# Altium PCB Copy of Brake Module PCB R5.PcbDoc (part 1 of 2) (continued)
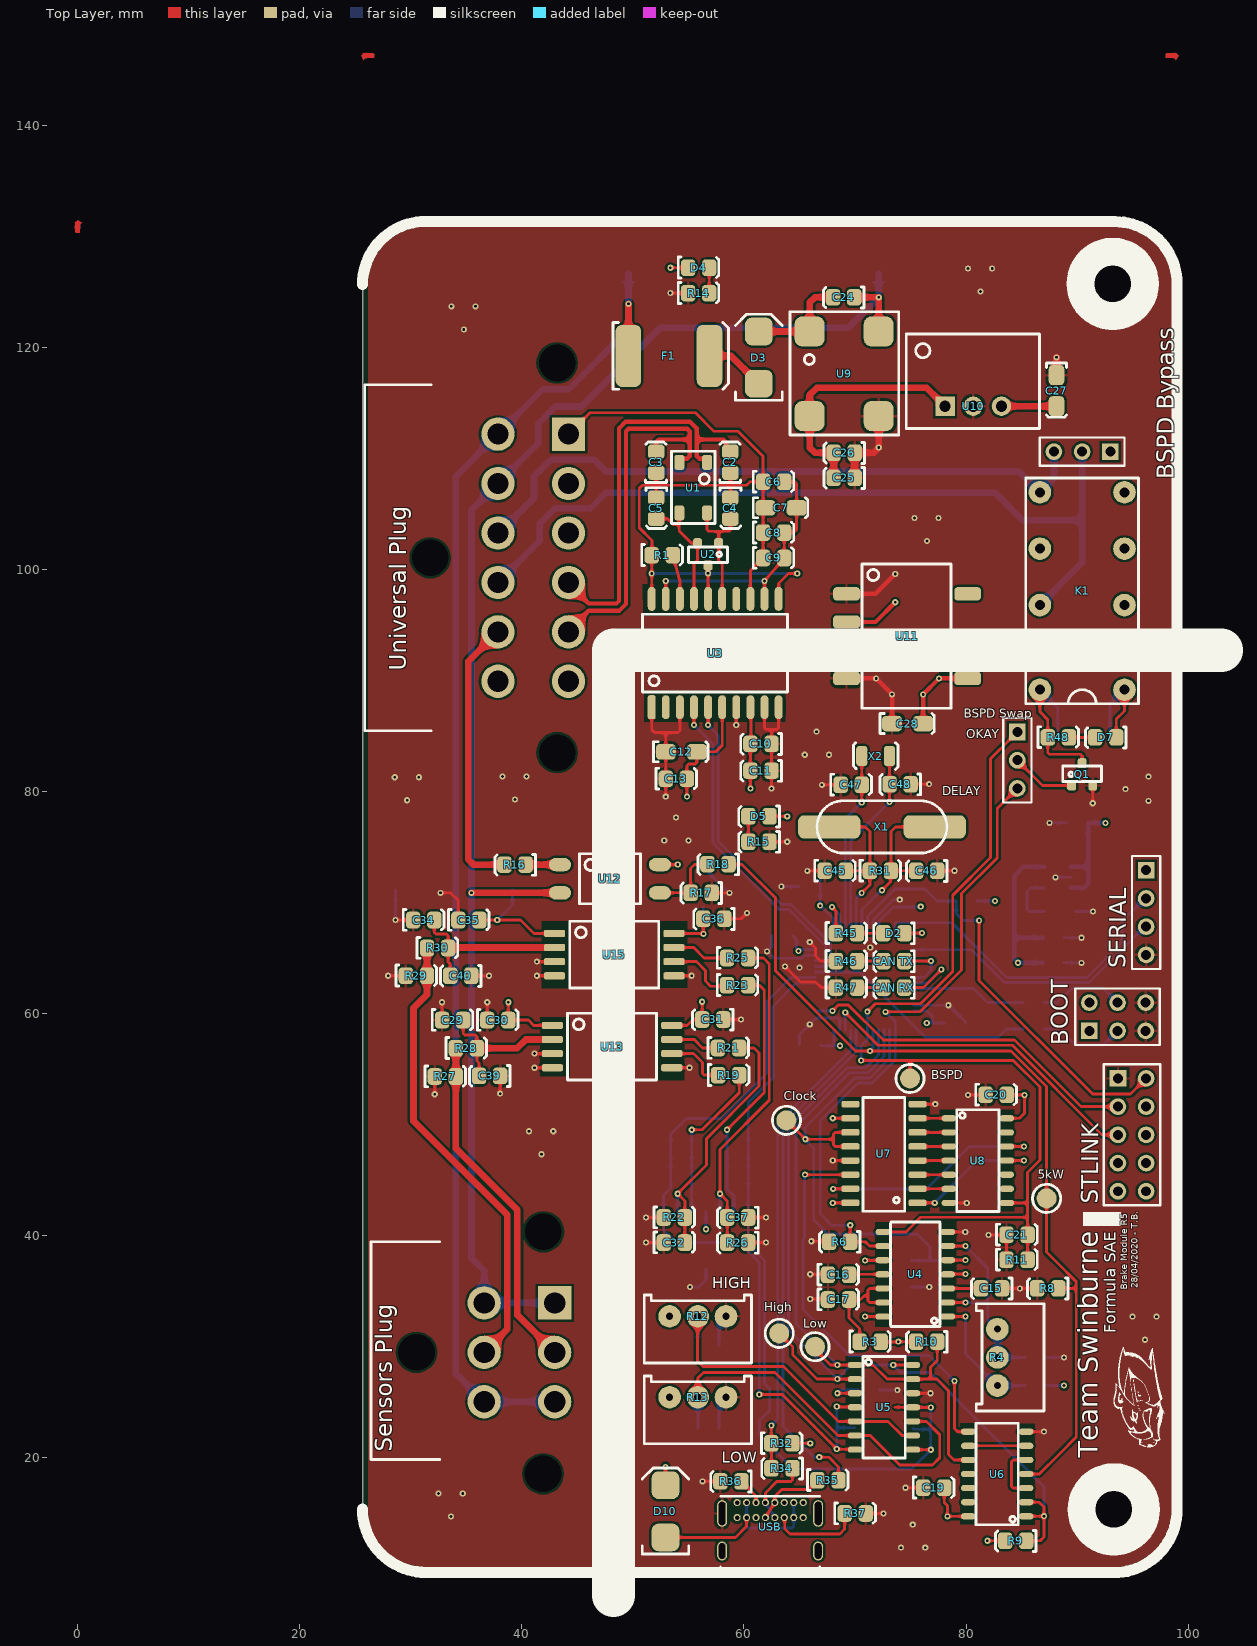
[diagram p0: Top Layer view]
## Footprints (in the part's own frame and the unit in brackets; to place one, negate y for a bottom-side part, rotate by r counter-clockwise, add the part's x,y. Pads: shape width x height; smd on the part's side, far side on the other; paste and mask are expansions set on the pad)
"14 SOIC" [mil]
  oval 22x52 smd: 1(-141.46,-116.85) 2(-91.46,-116.85) 3(-41.46,-116.85) 4(8.54,-116.85) 5(58.54,-116.85) 6(108.54,-116.85) 7(158.54,-116.85) 8(158.54,112.87) 9(108.54,112.87) 10(58.54,112.87) 11(8.54,112.87) 12(-41.46,112.87) 13(-91.46,112.87) 14(-141.46,112.87)
  silkscreen extent -176,-89 194,86, body extent -163,-122 181,122, height 69
0805#1 [mm]
  rrect50% 1.3x1.5 smd: 1(-0.962,-0.026) 2(0.938,-0.026)
  silkscreen extent -1.85,-0.95 1.8,0.93, body extent -1,-0.65 1,0.66, height 0.73
0805#2 [mm]
  rrect50% 1.3x1.5 smd: 1(-0.962,-0.026) 1(0.938,-0.026)
  silkscreen extent -1.85,-0.95 1.8,0.93, body extent -1,-0.65 1,0.66, height 0.73
"0805 LED" [mm]
  rrect50% 1.3x1.5 smd: A(-0.962,-0.026) K(0.938,-0.026)
  silkscreen extent -1.85,-0.95 1.8,0.93, body extent -1.1,-0.62 0.9,0.62, height 1
1206 [mm]
  rrect50% 1.8x1.4 smd: 1(-2.6,0) 2(0.2,0)
  silkscreen extent -3.7,-0.9 1.2,0.9, body extent -2.9,-0.9 0.5,0.9, height 1.85
2920 [mm]
  rrect50% 2.3x5.6 smd: 1(0,0) 2(7.3,0)
  silkscreen extent -1.4,-3 9,3, body extent -0.34,-2.81 7.64,2.81, height 1.14
"Abracon HC-49/US" [mm]
  rrect50% 5.6x2.1 smd: 1(-4.75,0) 2(4.75,0)
  silkscreen extent -5.85,-2.35 5.85,2.35, body extent -6.35,-2.35 6.35,2.35, height 4.06
"AD SOIC-W 20" [mil]
  rrect50% 28x85 smd: 1(-225,-192.02)
  oval 28x85 smd: 2(-175,-192.02) 3(-125,-192.02) 4(-75,-192.02) 5(-25,-192.02) 6(25,-192.02) 7(75,-192.02) 8(125,-192.02) 9(175,-192.02) 10(225,-192.02) 11(225,192.02) 12(175,191.98) 13(125,191.98) 14(75,191.98) 15(25,191.98) 16(-25,191.98) 17(-75,191.98) 18(-125,191.98) 19(-175,191.98) 20(-225,191.98)
  silkscreen extent -257,-138 256,138, body extent -260,-210 260,210, height 105
"B 3296" [mil]
  round 80 hole 25.2: 1(-103.39,-22) 2(-3.39,-22) 3(96.61,-22)
  silkscreen extent -193,-97 187,143, body extent -191,-97 184,143, height 455
"BROAD 8-SOIC" [mm]
  rrect50% 0.64x1.905 smd: 1(-1.905,-5.372) 2(-0.635,-5.372) 3(0.635,-5.372) 4(1.905,-5.372) 5(1.905,5.372) 6(0.635,5.372) 7(-0.635,5.372) 8(-1.905,5.372)
  silkscreen extent -3,-4 3,4, body extent -2.92,-5.75 2.92,5.75, height 3.68
DT13-6P [mm]
  round 3 hole 3.3 unplated: 0(-17.805,15.43) 0(-6.95,4) 0(4,15.4)
  rect 3x3 hole 1.9: 1(-11.4,16.45)
  round 3 hole 1.9: 2(-6.95,16.45) 3(-2.5,16.45) 4(-2.5,10.1) 5(-6.95,10.1) 6(-11.4,10.1)
  silkscreen extent -16.9,-0.1 2.7,6.1, body extent -29.9,-19.9 12.9,19.6, height 35.63
DT13-12P [mm]
  round 3 hole 3.3 unplated: 0(-6.405,5.33) 0(11.135,-6.1) 0(28.675,5.33)
  rect 3x3 hole 1.9: 1(0,6.35)
  round 3 hole 1.9: 2(4.45,6.35) 3(8.9,6.35) 4(13.35,6.35) 5(17.8,6.35) 6(22.25,6.35) 7(22.25,0) 8(17.8,0) 9(13.35,0) 10(8.9,0) 11(4.45,0) 12(0,0)
  silkscreen extent -4.45,-12 26.7,-6, body extent -18.6,-34.7 40.6,9.5, height 37.63
"EPSON 2-SMD" [mm]
  rrect50% 1x1.8 smd: 1(-1.25,0) 2(1.25,0)
  silkscreen extent -2,-1.2 2,1.2, body extent -1.5,-1 1.5,1, height 1
"ON 4-SMD" [mm] "SOP, 4-Leads, Body 3.85x4.4mm, Pitch 2.54mm, IPC Medium Density"
  oval 2x1.2 smd: 1(-4.75,1.27) 2(-4.75,-1.27) 3(4.25,-1.27) 4(4.25,1.27)
  silkscreen extent -3,-2.25 2.5,2.25, body extent -5.33,-2.3 4.83,2.3, height 4.6
"ON 16-SOIC" [mm]
  rrect50% 1.6x0.58 smd: 1(-2.89,0) 2(-2.89,-1.27) 3(-2.89,-2.54) 4(-2.89,-3.81) 5(-2.89,-5.08) 6(-2.89,-6.35) 7(-2.89,-7.62) 8(-2.89,-8.89) 9(3.14,-8.89) 10(3.14,-7.62) 11(3.14,-6.35) 12(3.14,-5.08) 13(3.14,-3.81) 14(3.14,-2.54) 15(3.14,-1.27) 16(3.14,0)
  silkscreen extent -1.75,-9.5 2,0.75, body extent -3.09,-9.4 3.14,0.6, height 1.75
"ON SOT-23" [mm] "NUP2105L"
  rrect50% 0.8x0.9 smd: 1(-0.95,-1) 2(0.95,-1) 3(0,1)
  silkscreen extent -1.75,-0.65 1.75,0.75, body extent -1.5,-1.27 1.5,1.28, height 1
"ON SOT-23 MOSFET" [mm] "NUP2105L"
  rrect50% 0.8x0.9 smd: D(0,1) G(-0.95,-1) S(0.95,-1)
  silkscreen extent -1.75,-0.65 1.75,0.75, body extent -1.5,-1.27 1.5,1.28, height 1
"RECOM 3-SIP" [mm] "12 to 42 Vdc In, 9 Vdc Out"
  rect 1.75x1.75 hole 1: 1(0,0)
  round 1.75 hole 1: 2(2.54,0) 3(5.08,0)
  silkscreen extent -3.5,-2 8.5,6.5, body extent -3.26,-2.02 8.34,6.48, height 11.41
"RECOM 8-SMD (5 Pin)" [mm]
  rrect50% 1.2x2.4 smd: 1(-3.81,-5.4) 2(-1.27,-5.4) 4(3.81,-5.4) 5(3.81,5.5) 8(-3.81,5.5)
  silkscreen extent -6.5,-4 6.5,4, body extent -6.37,-5.55 6.38,5.55, height 9.2
"RICHTEK SOT-23-5" [mil]
  rrect50% 19x58 smd: 1(-39.37,-39.37) 2(-1.97,-39.37) 3(35.43,-39.37) 4(35.43,53.63) 5(-39.37,53.63)
  silkscreen extent -69,-31 64,46, body extent -62,-51 58,67, height 57
"SMB Diode" [mm]
  rrect50% 2.5x2.5 smd: A(-0.25,0) K(4.45,0)
  silkscreen extent -1.75,-2.1 6,2.1, body extent -0.69,-1.97 4.9,1.97, height 2.5
"SMD Test Point" [mm]
  round 1.8 smd: 1(0,0)
  silkscreen extent -1.27,-1.27 1.27,1.27
"STM 48-LQFP" [mm]
  rrect50% 0.3x1.2 smd mask+0.05: 1(-2.75,-4.45) 2(-2.25,-4.45) 3(-1.75,-4.45) 4(-1.25,-4.45) 5(-0.75,-4.45) 6(-0.25,-4.45) 7(0.25,-4.45) 8(0.75,-4.45) 9(1.25,-4.45) 10(1.75,-4.45) 11(2.25,-4.45) 12(2.75,-4.45) 25(2.75,4.45) 26(2.25,4.45) 27(1.75,4.45) 28(1.25,4.45) 29(0.75,4.45) 30(0.25,4.45) 31(-0.25,4.45) 32(-0.75,4.45) 33(-1.25,4.45) 34(-1.75,4.45) 35(-2.25,4.45) 36(-2.75,4.45)
  rrect50% 1.2x0.3 smd mask+0.05: 13(4.45,-2.75) 14(4.45,-2.25) 15(4.45,-1.75) 16(4.45,-1.25) 17(4.45,-0.75) 18(4.45,-0.25) 19(4.45,0.25) 20(4.45,0.75) 21(4.45,1.25) 22(4.45,1.75) 23(4.45,2.25) 24(4.45,2.75) 37(-4.45,2.75) 38(-4.45,2.25) 39(-4.45,1.75) 40(-4.45,1.25) 41(-4.45,0.75) 42(-4.45,0.25) 43(-4.45,-0.25) 44(-4.45,-0.75) 45(-4.45,-1.25) 46(-4.45,-1.75) 47(-4.45,-2.25) 48(-4.45,-2.75)
  silkscreen extent -3.5,-3.5 3.5,3.5, body extent -4.6,-4.6 4.6,4.6, height 1.6
"TDK 4-PC Pad" [mm]
  rrect50% 1.35x0.9 smd: 1(0,0) 2(0,-2.5) 3(4.55,-2.5) 4(4.55,0)
  silkscreen extent -1,-3.2 5.5,0.7, body extent -0.02,-2.82 4.48,0.38, height 2.8
"TH 2.54mm Header 1x3" [mm]
  rect 1.5x1.5 hole 0.9: 1(0,0)
  round 1.5 hole 0.9: 2(2.54,0) 3(5.08,0)
  silkscreen extent -1.27,-1.27 6.35,1.27
"TH 2.54mm Header 1x4" [mm]
  rect 1.5x1.5 hole 0.9: 1(0,0)
  round 1.5 hole 0.9: 2(2.54,0) 3(5.08,0) 4(7.62,0)
  silkscreen extent -1.27,-1.27 8.89,1.27
"TH 2.54mm Header 2x3" [mm]
  rect 1.5x1.5 hole 0.9: 1(0,0)
  round 1.5 hole 0.9: 2(0,2.54) 3(2.54,0) 4(2.54,2.54) 5(5.08,0) 6(5.08,2.54)
  silkscreen extent -1.27,-1.27 6.35,3.81
"TH 2.54mm Header 2x5" [mm]
  rect 1.5x1.5 hole 0.9: 1(0,0)
  round 1.5 hole 0.9: 2(0,2.54) 3(2.54,0) 4(2.54,2.54) 5(5.08,0) 6(5.08,2.54) 7(7.62,0) 8(7.62,2.54) 9(10.16,0) 10(10.16,2.54)
  silkscreen extent -1.27,-1.27 11.43,3.81
"TI 2-DIL" [mil]
  round 80 hole 35.43: 1(-350,-150) 4(-50,-150) 6(150,-150) 8(350,-150) 9(350,150) 11(150,150) 13(-50,150) 16(-350,150)
  silkscreen extent -400,-200 400,200, body extent -398,-197 398,197, height 450
"TI 14-SOIC" [mil]
  oval 22x52 smd: 1(-750,102.36) 2(-700,102.36) 3(-650,102.36) 4(-600,102.36) 5(-550,102.36) 6(-500,102.36) 7(-450,102.36) 8(-450,307.09) 9(-500,307.09) 10(-550,307.09) 11(-600,307.09) 12(-650,307.09) 13(-700,307.09) 14(-750,307.09)
  silkscreen extent -780,130 -420,280, body extent -770,86 -430,323, height 69
USB4085-GF-A [mm]
  round 0.65 hole 0.4: A1(-2.848,4.025) A4(-1.998,4.025) A5(-1.148,4.025) A6(-0.298,4.025) A7(0.552,4.025) A8(1.402,4.025) A9(2.252,4.025) A12(3.102,4.025) B1(3.102,2.675) B4(2.252,2.675) B5(1.402,2.675) B6(0.552,2.675) B7(-0.298,2.675) B8(-1.148,2.675) B9(-1.998,2.675) B12(-2.848,2.675)
  oval 0.9x2.4 hole 0.6 slot 2.1 at 90 deg: P1(-4.198,3.045) P2(4.452,3.045)
  oval 0.9x1.7 hole 0.6 slot 1.4 at 90 deg: P3(4.452,-0.335) P4(-4.198,-0.335)
  silkscreen extent -4.35,-2.07 4.6,4.58, body extent -4.39,-4.56 4.64,4.61, height 3.46
"Wurth 4-PC Pad" [mm]
  rrect50% 2.7x2.7 smd: 1(7.62,6.22) 2(0,6.22) 3(0,0) 4(7.62,0)
  silkscreen extent -1.7,-1.8 9.4,8, body extent -1.19,-1.24 8.81,7.46, height 6.2

## Part data
0V "0V (ISO)" 5kW 5V "5V (ISO)" BSPD Clock GLV+ GLV- High Low S1 S2: library part "SMD Test Point", Angle=0, Contact=NA, Flange=No, Part Number="SMD Test Point", Pitch=0mm, Positions=1, Row Spacing=0
BOOT: library part "TH 2.54mm Header 2x3", Angle=0, Contact=NA, Flange=No, Part Number="TH 2.54mm Header 2x3", Pitch=2.54mm, Positions=6, Row Spacing=2.54mm
"BSPD Bypass" "BSPD Swap": library part "TH 2.54mm Header 1x3", Angle=0, Contact=NA, Flange=No, Part Number="TH 2.54mm Header 1x3", Pitch=2.54mm, Positions=3, Row Spacing=2.54mm
C2 C3 C4 C5 C16 C32 C33 C37 C38: library part GCM2165C1H101JA16D, Digikey Part Number=490-8031-1-ND, Manufacturer=muRata, Rated Voltage=50V, Tolerance=±5%, Material="C0G, NP0", Part Number=GCM2165C1H101JA16D
C6 C9 C11 C13 C18 C20 C21 C22 C23 C29 C30 C31 C34 C35 C36 C39 C40 C42 C43 C44 C51: library part GCM21BR71H104KA37L, Digikey Part Number=490-6064-1-ND, Manufacturer=muRata, Rated Voltage=50V, Tolerance=±10%, Material=X7R, Part Number=GCM21BR71H104KA37L
C7 C12: library part GCM3195C2A103JA16D, Digikey Part Number=490-4978-2-ND, Manufacturer=muRata, Rated Voltage=100V, Tolerance=5%, Material=Ceramic, Part Number=GCM3195C2A103JA16D
C8 C10 C14 C17 C24 C25 C26: library part GRM21BR6YA106KE43L, Digikey Part Number=490-10514-6-ND, Manufacturer=muRata, Rated Voltage=50V, Tolerance=10%, Material=X5R, Part Number=GRM21BR6YA106KE43L
C15: library part GRM21A5C2E100JW01D, Digikey Part Number=490-5530-1-ND, Manufacturer=muRata, Rated Voltage=250V, Tolerance=±5%, Material="C0G, NP0", Part Number=GRM21A5C2E100JW01D
C19: library part GCM21BR71E104KA37L, Digikey Part Number="DO NOT USE FOR NEW DESIGNS", Manufacturer=muRata, Rated Voltage=25V, Tolerance=10%, Material=X7R, Part Number=GCM21BR71E104KA37L
C27 C28 C50: library part CC1206MKX5R7BB226, Digikey Part Number=311-1997-2-ND, Manufacturer=YAGEO, Rated Voltage=16V, Tolerance=20%, Material=Ceramic, Part Number=CC1206MKX5R7BB226
C41 C49 C52: library part AC0805KKX7R8BB105, Manufacturer=YAGEO, Rated Voltage=25V, Tolerance=10%, Material=X7R, Part Number=AC0805KKX7R8BB105
C45 C46 C47 C48: library part GRM21A5C2E220JW01D, Digikey Part Number=490-5534-1-ND, Manufacturer=muRata, Rated Voltage=250V, Tolerance=±5%, Material="C0G, NP0", Part Number=GRM21A5C2E220JW01D
"CAN RX" "CAN TX": library part SML-MN2BCTT86C, "LED BLUE CLEAR 2012 SMD", Digikey Part Number=846-1207-1-ND, Manufacturer="ROHM Semiconductor", Colour=Blue, Digikey Link=https://www.digikey.com/product-detail/en/rohm-semiconductor/SMLMN2BCTT86C/846-1207-1-ND/6057239, Part Number=SML-MN2BCTT86C
D1: library part SML-211YTT86, "Yellow LED Indication - Discrete 1.75V 0805 (2012 Metric)", Digikey Part Number=511-1293-1-ND, Manufacturer="ROHM Semiconductor", Colour=Yellow, Digikey Link=https://www.digikey.com/product-detail/en/rohm-semiconductor/SML-211YTT86/511-1293-1-ND/637106, Part Number=SML-211YTT86
D2 D4 D5: library part SML-210LTT86, "Red LED Indication - Discrete 1.75V 0805 (2012 Metric)", Digikey Part Number=511-1286-1-ND, Manufacturer="ROHM Semiconductor", Colour=Red, Digikey Link=https://www.digikey.com/product-detail/en/rohm-semiconductor/SML-210LTT86/511-1286-1-ND/637099, Part Number=SML-210LTT86
D3 D6 D10: "1.2V_F 600V 5A SMB", Digikey Part Number=1655-1530-2-ND, Manufacturer="SMC Diode Solutions", Digikey Link=https://www.digikey.com/product-detail/en/smc-diode-solutions/SD560BTR/1655-1530-2-ND/6022620, Part Number=SD560BTR
D7: library part SML-210FTT86, "Green LED Indication - Discrete 1.75V 0805 (2012 Metric)", Digikey Part Number=511-1285-1-ND, Manufacturer="ROHM Semiconductor", Colour=Green, Digikey Link=https://www.digikey.com/product-detail/en/rohm-semiconductor/SML-210FTT86/511-1285-1-ND/637098, Part Number=SML-210FTT86
F1: "PTC RESET FUSE 60V 1A 292", Digikey Part Number=507-2070-1-ND, Manufacturer="Littelfuse Inc.", Digikey Link=https://www.digikey.com/product-detail/en/bel-fuse-inc/0ZCF0100AF2A/507-2070-1-ND/6210547, Part Number=0ZCF0100AF2A
K1: "5V DPDT Relay 3A 220VDC", Digikey Part Number=PB383-ND, Manufacturer=Axicom, Digikey Link=https://www.digikey.com/products/en?mpart=V23105A5001A201&v=41, Part Number=V23105A5475A201
Q1: "60V 380mA, NFET MOSTFET (Small Signal)", Digikey Part Number=2N7002KCT-ND, Manufacturer="ON Semiconductor", Digikey Link=https://www.digikey.com/product-detail/en/on-semiconductor/2N7002K/2N7002KCT-ND/2060375, LatestRevisionDate=29-May-2009, LatestRevisionNote="IPC-7351 Footprint Added.", PackageDescription="4-Pin SOT-343 Package 1.3 mm Pitch, 2.1 mm Lead Span", PackageReference=SOT-343, PackageVersion=Sep-2000, Part Number=2N7002K, Published=24-Mar-1999, Publisher="Altium Limited", Qty=30
R1: library part RC0805FR070RL, Manufacturer=YAGEO, Rated Voltage=0.125W, Tolerance=0.01, Material=FR-07, Part Number=RC0805FR070RL
R2 R11 R38 R39: library part RC0805FR0710KL, Digikey Part Number=311-10.0KCRCT-ND, Manufacturer=YAGEO, Rated Voltage=0.125W, Tolerance=0.01, Material=FR-07, Part Number=RC0805FR0710KL
R3: library part RC0805FR071ML, Digikey Part Number=311-1.00MCRCT-ND, Manufacturer=YAGEO, Rated Voltage=0.125W, Tolerance=0.01, Material=FR-07, Part Number=RC0805FR071ML
R4 R12 R13: library part 3296W-1-103LF, Digikey Part Number=3296W-103LF-ND, Manufacturer="Bournes Inc", Rated Voltage=0.5W, Tolerance=0.1, Part Number=3296W-1-103LF
R6 R8: library part RC0805FR0720KL, Digikey Part Number=311-20.0KCRCT-ND, Manufacturer=YAGEO, Rated Voltage=0.125W, Tolerance=0.01, Material=FR-07, Part Number=RC0805FR0720KL
R7: library part RC0805FR071K5L, Digikey Part Number=311-1.50KCRCT-ND, Manufacturer=YAGEO, Rated Voltage=0.125W, Tolerance=0.01, Material=FR-07, Part Number=RC0805FR071K5L
R9 R10: library part RC0805FR073K3L, Digikey Part Number=311-3.30KCRCT-ND, Manufacturer=YAGEO, Rated Voltage=0.125W, Tolerance=0.01, Material=FR-07, Part Number=RC0805FR073K3L
R14 R15 R16 R48: library part RC0805FR07680RL, Manufacturer=YAGEO, Rated Voltage=0.125W, Tolerance=0.01, Material=FR-07, Part Number=RC0805FR07680RL
R17 R19 R20 R21 R22 R23 R24 R25 R26 R40: library part RC0805FR0710KL, Manufacturer=YAGEO, Rated Voltage=0.125W, Tolerance=0.01, Material=FR-07, Part Number=RC0805FR0710KL
R18: library part RC0805FR07100RL, Manufacturer=YAGEO, Rated Voltage=0.125W, Tolerance=0.01, Material=FR-07, Part Number=RC0805FR07100RL
R27 R29: library part RC0805FR07200RL, Manufacturer=YAGEO, Rated Voltage=0.125W, Tolerance=0.01, Material=FR-07, Part Number=RC0805FR07200RL
R28 R30: library part RC0805FR071KL, Manufacturer=YAGEO, Rated Voltage=0.125W, Tolerance=0.01, Material=FR-07, Part Number=RC0805FR071KL
R31: library part RC0805FR0710ML, Manufacturer=YAGEO, Rated Voltage=0.125W, Tolerance=0.01, Material=FR-07, Part Number=RC0805FR0710ML
R32: library part RC0805FR071K5L, Manufacturer=YAGEO, Rated Voltage=0.125W, Tolerance=0.01, Material=FR-07, Part Number=RC0805FR071K5L
R34 R35: library part RC0805FR0720RL, Manufacturer=YAGEO, Rated Voltage=0.125W, Tolerance=0.01, Material=FR-07, Part Number=RC0805FR0720RL
R36 R37: library part RC0805FR075K1L, Manufacturer=YAGEO, Rated Voltage=0.125W, Tolerance=0.01, Material=FR-07, Part Number=RC0805FR075K1L
R45 R46 R47: library part RC0805FR07510RL, Manufacturer=YAGEO, Rated Voltage=0.125W, Tolerance=0.01, Material=FR-07, Part Number=RC0805FR07510RL
"Sensors Plug": library part DT13-6P[[/\]]DT13-6P, Digikey Part Number=1734-1025-ND, Angle=90, Contact="Copper Alloy", Digikey Link=https://www.digikey.com/product-detail/en/te-connectivity-deutsch-connectors/DT13-6P/1734-1025-ND/6566589, Flange=Yes, Part Number=DT13-6P, Pitch=4.44mm, Positions=6, Row Spacing=6.35mm
SERIAL: library part "TH 2.54mm Header 1x4", Angle=0, Contact=NA, Flange=No, Part Number="TH 2.54mm Header 1x4", Pitch=2.54mm, Positions=4, Row Spacing=2.54mm
STLINK: library part "TH 2.54mm Header 2x5", Angle=0, Contact=NA, Flange=No, Part Number="TH 2.54mm Header 2x5", Pitch=2.54mm, Positions=10, Row Spacing=2.54mm
U1: "100µH @ 100kHz 2 Line Common Mode Choke Surface Mount 5.8 kOhms @ 10MHz 150mA DCR 2Ohm", Digikey Part Number=495-4598-1-ND, Inductance="100µH @ 100kHz", Manufacturer="EPCOS (TDK)", Rated Current=150mA, Digikey Link=https://www.digikey.com/product-detail/en/epcos-tdk/B82787C0104H002/495-4598-2-ND/3680998, Impedence="5.8 kOhms @ 10MHz", Material=Wirewound, Part Number=B82787C0104H002
U2: "Dual Line CAN Bus Protector", Digikey Part Number=NUP2105LT1GOSCT-ND, Manufacturer="ON Semiconductor", Digikey Link=https://www.digikey.com/product-detail/en/on-semiconductor/NUP2105LT1G/NUP2105LT1GOSCT-ND/1485001, Part Number=NUP2105L
U3: "Isolated CAN Transceiver", Digikey Part Number=ADM3053BRWZ-ND, Manufacturer="Analogue Devices", Digikey Link=https://www.digikey.com/product-detail/en/analog-devices-inc/ADM3053BRWZ/ADM3053BRWZ-ND/2709332, Part Number=ADM3053
U4: "IC OSC TIMER DUAL 100KHZ 14SOIC", Digikey Part Number=296-26240-1-ND, Manufacturer="Texas Instruments", Digikey Link=https://www.digikey.com/product-detail/en/texas-instruments/NE556DR/296-26240-1-ND/2254905, Part Number=NE556DR
U5: "Comparator General Purpose Open Collector 14-SOIC", Digikey Part Number=296-6611-2-ND, Manufacturer="Texas Instruments", Digikey Link=https://www.digikey.com/product-detail/en/texas-instruments/LMV339MTX-NOPB/296-35446-1-ND/3739150, Part Number=LMV339IDR
U6: "NAND Gate IC 4 Channel 14-SOIC", Digikey Part Number=296-1187-2-ND, Manufacturer="Texas Instruments", Digikey Link=https://www.digikey.com.au/product-detail/en/texas-instruments/SN74HC00DR/296-1187-2-ND/276830, Part Number=SN74HC00DR
U7: "IC SHIFT REGISTR 8BIT 3ST 16SOIC", Digikey Part Number=MC74HC595ADR2GOSCT-ND, Manufacturer="ON Semiconductor", Digikey Link=https://www.digikey.com/product-detail/en/on-semiconductor/MC74HC595ADR2G/MC74HC595ADR2GOSCT-ND/1139727, Part Number=MC74HC595ADR2G
U8: "IC GATE NAND 1CH 8-INP 14SOIC", Digikey Part Number=296-14521-1-ND, Manufacturer="Texas Instruments", Digikey Link=https://www.digikey.com/product-detail/en/texas-instruments/CD74HC30M96/296-14521-1-ND/555580, Part Number=CD74HC30M96
U9: "120µH @ 100kHz 2 Line Common Mode Choke Surface Mount 460 Ohms @ 30MHz 2.5A DCR 25mOhm", Digikey Part Number=732-1489-1-ND, Inductance="120uH @ 100kHz", Manufacturer="Wurth Electronics Inc", Rated Current=2.5A, Digikey Link=https://www.digikey.com/product-detail/en/w-rth-elektronik/744272121/732-1489-1-ND/1639501, Impedence="460 Ohms @ 30MHz", Material=Wirewound, Part Number=744272121
U10: "CONV DC/DC 1A 5V OUT SIP VERT", Digikey Part Number=945-1395-5-ND, Manufacturer=Recom, Digikey Link=https://www.digikey.com.au/product-detail/en/recom-power/R-78C5.0-1.0/945-1395-5-ND/2652148, Isolation=Non-Isolated, Part Number=R-78C5.0-1.0
U11: "Isolated Module DC DC Converter 1 Output 3.3V 606mA 4.5V - 5.5V Input", Digikey Part Number=945-1764-5-ND, Input Voltage=4.5V-5.5V, Manufacturer=Recom, Output Power=2W, Output Voltage=5V, Digikey Link=https://www.digikey.com/product-detail/en/recom-power/R2S-0505-HP/945-1764-5-ND/2302761, Efficiency=0.85, Isolation=Isolated, Part Number=R2S-0505/HP
U12: "35V 50ma Optocoupler (VF=1.2V)", Digikey Part Number=160-1893-2-ND, Manufacturer="Lite-On Inc", Digikey Link=https://www.digikey.com/product-detail/en/lite-on-inc/LTV-817S-TA1/160-1893-2-ND/388451, Part Number=LTV-817S-TA1
U13 U15: "Isolation Amplifier 1 Circuit Differential 8-SO", Digikey Part Number=516-2578-5-ND, Manufacturer="Broadcom Limited", Digikey Link=https://www.digikey.com/product-detail/en/broadcom-limited/ACPL-C870-000E/516-2578-5-ND/3523705, Part Number=ACPL-C870
U14: "IC OPAMP GP 4 CIRCUIT 14SOIC", Digikey Part Number=296-1390-5-ND, Manufacturer="Texas Instruments", Digikey Link=https://www.digikey.com/product-detail/en/texas-instruments/LM324D/296-1390-5-ND/277039, Part Number=LM324D
U16: "ARM® Cortex®-M3 STM32F1 Microcontroller IC 32-Bit 72MHz 64KB (64K x 8) FLASH", Digikey Part Number=497-6063-ND, Manufacturer=STMicroelectronics, Digikey Link=https://www.digikey.com/product-detail/en/stmicroelectronics/STM32F103C8T6/497-6063-ND/1646338, Part Number=STM32F103C8T6
U17: "IC REG LINEAR 3.3V 300MA SOT23-5", Digikey Part Number=1028-1014-1-ND, Manufacturer=Richtek, Digikey Link=https://www.digikey.com/products/en?keywords=1028-1014-1-ND, Part Number=RT9193-33GB
"Universal Plug": library part DT13-12P[[/\]]DT13-12P, Digikey Part Number=1734-1451-ND, Angle=90, Contact=Nickel, Digikey Link=https://www.digikey.com.au/product-detail/en/te-connectivity-deutsch-connectors/DT13-12PA/1734-1451-ND/7220123, Flange=Yes, Part Number=DT13-12P, Pitch=4.44mm, Positions=12, Row Spacing=6.35mm
USB: "USB - C (Type - C) USB 2.0 Receptacle Connector 16 Position Through Hole, Right Angle", Digikey Part Number=2073-USB4085-GF-ACT-ND, Angle=90, Digikey Link=https://www.digikey.ee/product-detail/en/gct/USB4085-GF-A/2073-USB4085-GF-ACT-ND/9859733, Part Number=USB4085-GF-A
X1: library part ABLS-8.000MHZ-B4-T, Digikey Part Number=535-10212-2-ND, Load Capacitance=18pF, Manufacturer="Abracon LLC", Digikey Link=https://www.digikey.com/product-detail/en/abracon-llc/ABLS-8.000MHZ-B4-T/535-10212-2-ND/2184155, ESR=80R, Part Number=ABLS-8.000MHZ-B4-T
X2: library part "FC-135 32.7680KA-A5", Digikey Part Number=SER4103TR-ND, Load Capacitance=12.5pF, Manufacturer=EPSON, Digikey Link=https://www.digikey.com/product-detail/en/epson/FC-135-32.7680KA-A5/SER4103TR-ND/5259895, ESR=70k, Part Number="FC-135 32.7680KA-A5"

## Free pads (board coordinates)
  round 1.524 hole 3.3: 3(93.2,125.7) 3(93.3,15.35)

## Via types
v1: diameter 0.55, hole 0.25, Top Layer to Bottom Layer, tented both sides, 188 vias
v2: diameter 0.55, hole 0.25, Top Layer to Bottom Layer, 3 vias

## Nets (pads, with @x,y where several pads share a name; then routed paths per layer and width w, separated by ;. In a path a pad name is that pad's centre, name@x,y a point inside that pad or via, vN(x,y) a via of type N, cw(c..) or ccw(c..) an arc to the next point about the centre after c; other vN are vias at no path point)
0V: 0V.1 C25.1 C26.1 C27.1 C29.1 C30.1 C34.1 C35.1 C39.1 C40.1 R14.1 R27.1 R29.1 U9.3 U10.2 U11.1 U13.3 U13.4 U15.3 U15.4 | length 39.7
  Top Layer w0.254: v1(27.96,63.4) R29.1@29.56,63.4 ; v1(28.616,68.416) C34.1@30.216,68.416 ; v1(32.16,52.73) R27.1@32.16,54.33 ; v1(32.675,70.866) 33.584,70.866 34.28,70.17 C35.1@34.28,68.416 ; C29.1@32.816,59.41 v1(32.816,61.01) ; C40.1@35.446,63.4 v1(37.046,63.4) ; C30.1@36.88,59.41 v1(36.88,61.01) ; v1(38.046,52.782) C39.1@38.046,54.382 ; v1(41.148,55.118) U13.4@42.748,55.118 ; v1(41.148,56.388) U13.3@42.748,56.388 ; v1(41.346,63.398) U15.4@42.946,63.398 ; v1(41.346,64.668) U15.3@42.946,64.668 ; v1(53.371,124.866) R14.1@54.971,124.866
  Top Layer w0.4: U11.1@69.236,97.79 71.842,97.79 v1(73.62,99.568)
  Top Layer w0.6: C25.1@69.971,108.23 C26.1@69.971,110.486 ; C26.1@69.971,110.49 C26.1@69.971,110.486 ; U9.3@72.133,113.792 v1(72.133,110.955) 71.664,110.486 C26.1@69.971,110.486 ; C27.1@88.141,117.481 v1(88.141,119.081)
  Bottom Layer w0.254: v1(28.616,68.416) 0V.1@28.616,71.125
  other v1: 33.625,14.7 32.5,16.775 34.675,16.775 41.775,47.325 40.65,49.4 42.825,49.4 29.675,79.2 39.375,79.275 28.55,81.275 30.725,81.275 38.25,81.35 40.425,81.35 76.475,102.55 75.35,104.625 77.525,104.625 34.775,121.6 33.65,123.675 35.825,123.675 81.3,125 80.175,127.075 82.35,127.075
"0V (ISO)": "0V (ISO).1" BOOT.5 BOOT.6 C10.1 C11.1 C12.1 C13.1 C14.1 C15.1 C16.1 C17.1 C18.1 C19.1 C20.1 C21.1 C22.1 C23.1 C28.1 C31.1 C32.1 C36.1 C37.1 C41.1 C42.1 C43.1 C44.1 C45.1 C46.1 C47.1 C48.1 C49.1 C50.1 C51.1 C52.1 Q1.S R6.2 R7.1 R8.1@86.4,35.25 R11.1 R12.1 R13.1 R15.1 R17.1 R22.1 R26.1 R36.2 R37.2 R46.1 R47.1 SERIAL.4 STLINK.1 U3.1 U3.3 U3.7 U3.9 U3.10 U4.7 U5.12 U6.7 U7.8 U7.13 U8.7 U11.4 U13.5 U14.11 U15.5 U16.8 U16.23 U16.35 U16.47 U17.2 USB.A1 USB.A12 USB.B1 USB.B12 USB.P1 | length 141.2
  Top Layer w0.254: v1(51.18,39.375) C32.1@52.78,39.375 ; v1(51.18,41.635) R22.1@52.78,41.635 ; U3.1@51.689,87.579 51.689,85.547 51.943,85.293 52.959,85.293 ; v1(52.959,79.527) C13.1@52.959,81.127 C12.1@52.959,83.566 52.959,85.293 ; U13.5@53.493,55.118 v1(55.093,55.118) ; U15.5@53.691,63.398 v1(55.291,63.398) ; U3.3@54.229,87.579 54.229,85.496 54.026,85.293 52.959,85.293 ; v1(56.275,17.875) R36.2@57.875,17.875 ; R17.1@57.096,70.866 v1(58.696,70.866) ; C31.1@58.137,59.462 v1(59.737,59.462) ; C36.1@58.237,68.526 59.751,68.526 v1(60.275,69.05) ; v1(59.309,85.979) U3.7@59.309,87.579 ; R26.1@60.39,39.375 v1(61.99,39.375) ; C37.1@60.39,41.635 v1(61.99,41.635) ; U3.9@61.849,87.579 61.849,85.721 61.998,85.573 62.484,85.573 ; R15.1@62.299,75.47 v1(63.899,75.47) ; v1(62.479,80.265) C11.1@62.479,81.865 62.484,81.87 62.484,84.273 C10.1@62.479,84.278 62.484,84.283 62.484,85.573 ; U3.10@63.119,87.579 63.119,85.721 62.97,85.573 62.484,85.573 ; v2(63.7,64.225) 65.085,62.84 66.446,62.84 66.954,62.332 R47.1@68.28,62.332 ; v1(65.704,72.846) C45.1@67.304,72.846 ; v2(65.925,66.425) 66.446,65.904 66.446,65.164 66.891,64.719 R46.1@68.28,64.719 ; v1(65.969,34.295) C17.1@67.569,34.295 ; v1(65.969,36.52) C16.1@67.569,36.52 ; v1(66.068,39.498) R6.2@67.668,39.498 ; v1(67.01,80.59) C47.1@68.61,80.59 ; v1(67.991,46.757) U7.13@69.591,46.757 ; R37.2@70.966,14.983 v1(72.566,14.983) ; v1(74.538,17.299) C19.1@76.138,17.299 ; C48.1@75.078,80.65 v1(76.678,80.65) ; U5.12@75.206,25.81 v1(76.806,25.81) ; U7.8@75.621,51.837 v1(77.221,51.837) ; C46.1@77.359,72.852 v1(78.959,72.852) ; U4.7@78.325,40.33 U4.7@78.348,40.33 v1(79.925,40.33) ; U8.7@78.457,42.947 v1(80.057,42.947) ; v1(80.163,52.674) C20.1@81.763,52.674 ; v1(82.03,40.055) C21.1@83.63,40.055 ; C15.1@83.237,35.25 v1(84.837,35.25) R8.1@86.4,35.25 ; R11.1@83.638,37.824 C21.1@83.638,40.074 ; U6.7@85.4,22.345 v1(87.008,22.345) ; v1(91.402,78.934) Q1.S@91.402,80.534
  Top Layer w0.4: U11.4@69.236,90.17 v1(71.905,90.17) v1(73.336,88.739) C28.1@73.336,86.106
  Bottom Layer w0.254: v1(55.15,35.375) 55.927,35.375 56.57,36.018 U14.11@56.57,36.974 ; 56.325,72.925 56.557,72.925 58.616,70.866 v1(58.696,70.866) ; C23.1@57.742,22.681 57.742,24.811 R13.1@58.382,25.451 ; C22.1@57.742,30.124 57.742,32.095 R12.1@58.382,32.735 ; C44.1@62.488,67.001 62.475,66.988 62.475,66 v1(62.075,65.6) 62.706,64.969 65.172,64.969 65.445,65.242 U16.47@66.416,65.242 ; v1(63.363,71.426) C41.1@64.963,71.426 ; C43.1@65.013,57.151 65,57.164 65,58.1 v1(65.925,59.025) 66.483,59.583 68.467,59.583 68.616,59.434 U16.35@68.616,58.542 ; U16.8@71.616,67.442 71.639,67.465 71.639,68.426 73.463,70.25 v1(74.025,70.25) ; C18.1@72.207,26.086 v1(73.807,26.086) ; R7.1@75.082,35.371 v1(76.682,35.371) ; U16.23@75.316,60.742 v1(78.4,60.742) 78.444,60.742 79.962,59.224 C42.1@79.962,59.149 ; C14.1@87.225,29.036 v1(88.825,29.036) ; v1(87.508,77.17) C49.1@89.108,77.17 ; v1(88.062,72.263) 89.441,72.263 U17.2@89.444,72.266 ; C51.1@88.794,64.562 v1(90.394,64.562) ; C52.1@88.794,66.823 v1(90.394,66.823) ; C50.1@89.822,69.186 v1(91.422,69.186)
  other v1: 74.15,11.9 76.325,11.9 75.2,13.975 96.1,30.625 94.975,32.7 97.15,32.7 65,64.125 52.825,75.575 55,75.575 53.875,77.65 96.425,79.15 94.35,80.2 96.425,81.325 65.475,83.3 67.65,83.3 66.525,85.375
  other v2: 71.375,65.95
"3.3V (ISO)": BOOT.1 BOOT.2 C41.2 C42.2 C43.2 C44.2 C51.2 C52.2 D2.A R38.2 SERIAL.1 STLINK.7 STLINK.8 U16.1 U16.9 U16.24 U16.36 U16.48 U17.5 | length 39.9
  Top Layer w0.254: D2.A@74.42,67.237 v1(76.02,67.237)
  Bottom Layer w0.254: C44.2@64.388,67.001 64.735,66.654 64.735,65.87 64.9,65.705 v1(64.9,65.625) 64.98,65.625 65.12,65.765 66.393,65.765 U16.48@66.416,65.742 ; C41.2@66.85,71.426 C41.2@66.85,72.175 ; C41.2@66.863,71.426 v1(66.863,69.712) 68.093,68.482 68.093,67.465 U16.1@68.116,67.442 ; C43.2@66.913,57.151 66.964,57.1 68.116,57.1 ; U16.36@68.116,58.542 68.116,57.1 ; v1(68.65,57.1) 68.116,57.1 ; U16.9@72.116,67.442 72.139,67.465 72.139,68.28 73.453,69.594 75.894,69.594 v1(75.921,69.621) ; U16.24@75.316,60.242 76.483,60.242 76.925,59.8 76.925,59.149 ; v1(76.462,59.149) 76.925,59.149 ; C42.2@78.062,59.149 76.925,59.149 ; R38.2@81.013,70.126 v1(82.613,70.126)
  Bottom Layer w0.4: C51.2@86.921,64.566 84.679,64.566 84.328,64.917 84.328,66.827 ; C52.2@86.921,66.827 84.328,66.827 ; U17.5@87.055,73.212 85.176,73.212 84.328,72.365 84.328,66.827
  other v1: 84.684,64.567
5kW: "Universal Plug.8" R16.2 | length 25
  Top Layer w0.6: 37.846,94.366 35.179,91.699 35.179,73.875 35.648,73.406 R16.2@38.432,73.406
"5kW (ISO)": 5kW.1 R8.1@88.3,35.25 R18.1 U6.4 U16.29 | length 83.8
  Top Layer w0.254: R18.1@58.612,73.425 59.825,73.425 62.825,70.425 62.825,63.853 70.053,56.625 v1(71.35,56.625) 84.046,56.625 87.25,53.421 87.25,38.525 87.646,38.129 ; U6.4@85.4,18.535 86.585,18.535 88.4,20.35 89.925,21.875 89.925,35.25 ; R8.1@88.3,35.25 89.925,35.25 ; 87.646,38.129 88.2,37.575 ; 87.646,38.129 88.2,37.575 ; 88.2,37.575 89.925,35.85 89.925,35.25
  Bottom Layer w0.254: v1(71.35,56.625) 71.35,56.656 71.616,56.922 U16.29@71.616,58.542
5V: 5V.1 C27.2 C30.2 C35.2 D4.A U10.3 U11.2 U13.1 U15.1 | length 28
  Top Layer w0.254: C35.2@36.18,68.416 v1(37.78,68.416) 39.89,68.416 41.097,67.208 U15.1@42.946,67.208 ; v1(38.78,61.01) C30.2@38.78,59.41 40.59,59.41 41.072,58.928 U13.1@42.748,58.928 ; v1(53.371,127.152) D4.A@54.971,127.152
  Top Layer w0.4: U11.2@69.236,95.25 71.842,95.25 v1(73.62,97.028)
  Top Layer w0.6: U10.3@83.185,114.681 C27.2@88.141,114.681
  Bottom Layer w0.254: v1(37.78,68.416) 39.146,69.782 39.146,71.107 5V.1@39.128,71.125
"5V (ISO)": "5V (ISO).1" C10.2 C11.2 C12.2 C13.2 C18.2 C19.2 C20.2 C28.2 C31.2 C36.2 C49.2 D5.A D6.K D7.A D10.K K1.1 R2.2 R3.2 R9.2 R10.2 R12.3 R13.3 R32.2 U3.6 U3.8 U4.4 U4.10 U4.14 U5.3 U6.14 U7.10 U7.16 U8.14 U11.5 U12.4 U13.8 U14.4 U15.8 U17.1 U17.3 | length 91.7
  Top Layer w0.254: U12.4@52.434,73.406 v1(54.034,73.406) ; D10.K@52.934,17.577 v1(52.934,19.177) ; U13.8@53.493,58.928 54.864,58.928 55.398,59.462 C31.2@56.237,59.462 v1(56.237,61.062) ; U15.8@53.691,67.208 56.317,67.208 v1@56.337,67.188 ; v1(54.859,79.527) C13.2@54.859,81.127 54.859,82.325 55.008,82.474 55.61,82.474 55.759,82.623 C12.2@55.759,83.566 57.455,83.566 58.039,84.15 U3.6@58.039,87.579 ; C36.2@56.337,68.526 v1@56.337,67.188 ; v1(56.35,67.175) v1@56.337,67.188 ; v1(60.579,80.265) C11.2@60.579,81.865 C10.2@60.579,84.278 60.63,84.329 60.63,87.528 U3.8@60.579,87.579 ; D5.A@62.299,77.756 v1(63.899,77.756) ; R32.2@64.363,21.299 v1(65.963,21.299) ; v1(67.991,42.947) U7.16@69.591,42.947 ; v1(67.991,50.567) U7.10@69.591,50.567 ; v1(68.406,25.81) U5.3@70.006,25.81 ; v1(70.89,32.71) U4.14@72.49,32.71 ; v1(70.906,37.771) U4.10@72.506,37.771 ; R3.2@72.313,30.449 72.337,30.425 73.875,30.425 v1(73.9,30.45) R10.2@75.5,30.45 ; C19.2@78.038,17.299 78.038,15.962 78.319,15.681 78.319,14.729 v1(78.314,14.724) ; v1@78.319,14.725 U6.14@80.2,14.725 ; U4.4@78.356,36.539 v1(79.956,36.539) ; v1(81.912,12.526) R9.2@83.512,12.526 ; U8.14@83.657,50.567 84.817,50.567 85.263,51.013 v1(85.263,52.674) C20.2@83.663,52.674 ; D7.A@93.522,84.862 93.522,86.509 94.262,87.249 K1.1@94.262,89.154
  Top Layer w0.4: C28.2@76.136,86.106 v1(76.136,88.736) v1(77.57,90.17) U11.5@80.136,90.17
  Bottom Layer w0.254: 56.325,69.575 56.337,69.562 56.337,67.187 v1(56.35,67.175) ; v1(56.57,40.574) U14.4@56.57,42.174 ; v1(68.406,25.81) 68.427,25.81 68.703,26.086 C18.2@70.307,26.086 ; R2.2@87.225,26.496 v1(88.825,26.496) ; D6.K@92.946,84.836 92.946,87.838 K1.1@94.262,89.154
  Bottom Layer w0.4: U17.3@89.417,71.312 90.629,71.312 90.981,71.664 90.981,73.212 ; U17.1@89.417,73.212 90.981,73.212 ; v1(92.554,77.162) 92.55,77.166 C49.2@90.981,77.166 90.981,73.212
12V/24V: C25.2 C26.2 U9.2 U10.1 | length 22.5
  Top Layer w0.6: C25.2@68.071,108.23 68.072,108.231 C26.2@68.071,110.49 C26.2@68.071,110.49 66.382,110.49 65.913,110.959 U9.2@65.913,113.792 65.913,115.697 66.548,116.332 76.454,116.332 U10.1@78.105,114.681
BOOT0: BOOT.3 R39.1 | length 7.6
  Bottom Layer w0.254: R39.1@87.037,58.599 88.141,58.599 89.941,57.15 92.35,57.15 BOOT.3@93.635,58.435
BOOT1: BOOT.4 R40.2 | length 7.7
  Bottom Layer w0.254: R40.2@87.038,60.976 88.201,60.976 89.525,62.3 92.31,62.3 BOOT.4@93.635,60.975
"BSPD DELAY (ISO)": "BSPD Swap.3" R6.1 U4.9 U16.25 | length 56.7
  Top Layer w0.254: v1(69.565,40.94) 69.559,40.934 69.559,39.454 R6.1@69.562,39.451 70.924,39.451 71.315,39.06 U4.9@72.513,39.06 ; v1(72.745,60.15) 75.821,60.15 79.6,63.929 79.6,70.8 82.8,74 82.8,78.454 84.61,80.264
  Bottom Layer w0.254: v1(69.565,40.94) 69.559,40.934 67.895,40.934 66.875,41.954 66.875,50.379 70.244,53.748 71.537,53.748 73.616,55.827 U16.25@73.616,58.542 73.616,59.279 v1(72.745,60.15)
"BSPD OK": "BSPD Swap.1" BSPD.1 C21.2 R11.2 U4.8 U8.8 U16.30 | length 88
  Top Layer w0.254: v1(70.55,55.775) 74.95,55.775 ; v1(71.107,60.163) 71.819,60.875 75.9,60.875 78.8,63.775 78.8,70.65 82.2,74.05 82.2,82.934 83.987,84.721 84.61,85.344 ; U4.8@72.513,40.33 74.58,40.33 75.906,41.656 85.538,41.656 ; BSPD.1@74.95,54.15 74.95,55.775 ; U8.8@83.657,42.947 85.538,42.947 ; R11.2@85.538,37.824 C21.2@85.538,40.074 85.538,41.656 ; 74.95,55.775 84.25,55.775 86.65,53.375 86.65,46.8 85.538,45.688 85.538,42.947 ; 85.538,41.656 85.538,42.947
  Bottom Layer w0.254: v1(70.55,55.775) 70.55,57.075 71.116,57.641 U16.30@71.116,58.542 ; U16.30@71.107,58.563 v1(71.107,60.163)
"CAN RX INDC": "CAN RX.A" U16.19 | length 6.9
  Top Layer w0.254: 74.447,62.332 76.154,62.332 v1(77.771,63.95)
  Bottom Layer w0.254: U16.19@75.316,62.742 76.534,62.742 77.742,63.95 v1(77.771,63.95)
"CAN TX INDC": "CAN TX.A" U16.18 | length 5
  Top Layer w0.254: 74.447,64.719 76.844,64.719 v1(76.852,64.727)
  Bottom Layer w0.254: U16.18@75.316,63.242 75.32,63.246 76.206,63.246 76.852,63.892 v1(76.852,64.727)
CANH_P: "Universal Plug.5" C3.2 U1.2 | length 35.2
  Top Layer w0.381: 44.196,94.366 44.196,94.443 46.027,96.273 48.78,96.273 49.375,96.869 49.375,112.426 49.598,112.649 54.888,112.649 55.111,112.426 55.111,111.684 ; C3.2@52.096,110.59 52.096,111.461 52.319,111.684 55.111,111.684 ; U1.2@54.178,109.63 54.178,109.703 54.435,109.96 54.888,109.96 55.111,110.183 55.111,111.684
CANL_N: "Universal Plug.4" C2.2 U1.1 | length 36
  Top Layer w0.381: 44.196,98.816 44.196,98.739 46.027,96.908 48.517,96.908 48.74,97.132 48.74,112.689 49.335,113.284 55.151,113.284 55.746,112.689 55.746,111.684 ; U1.1@56.678,109.63 56.678,109.703 56.421,109.96 55.969,109.96 55.746,110.183 55.746,111.684 ; C2.2@58.776,110.59 58.391,110.975 58.391,111.461 58.168,111.684 55.746,111.684